# Altium PCB RF-BIG-DB5AT_v1.pcbdoc (part 4 of 7) (continued)
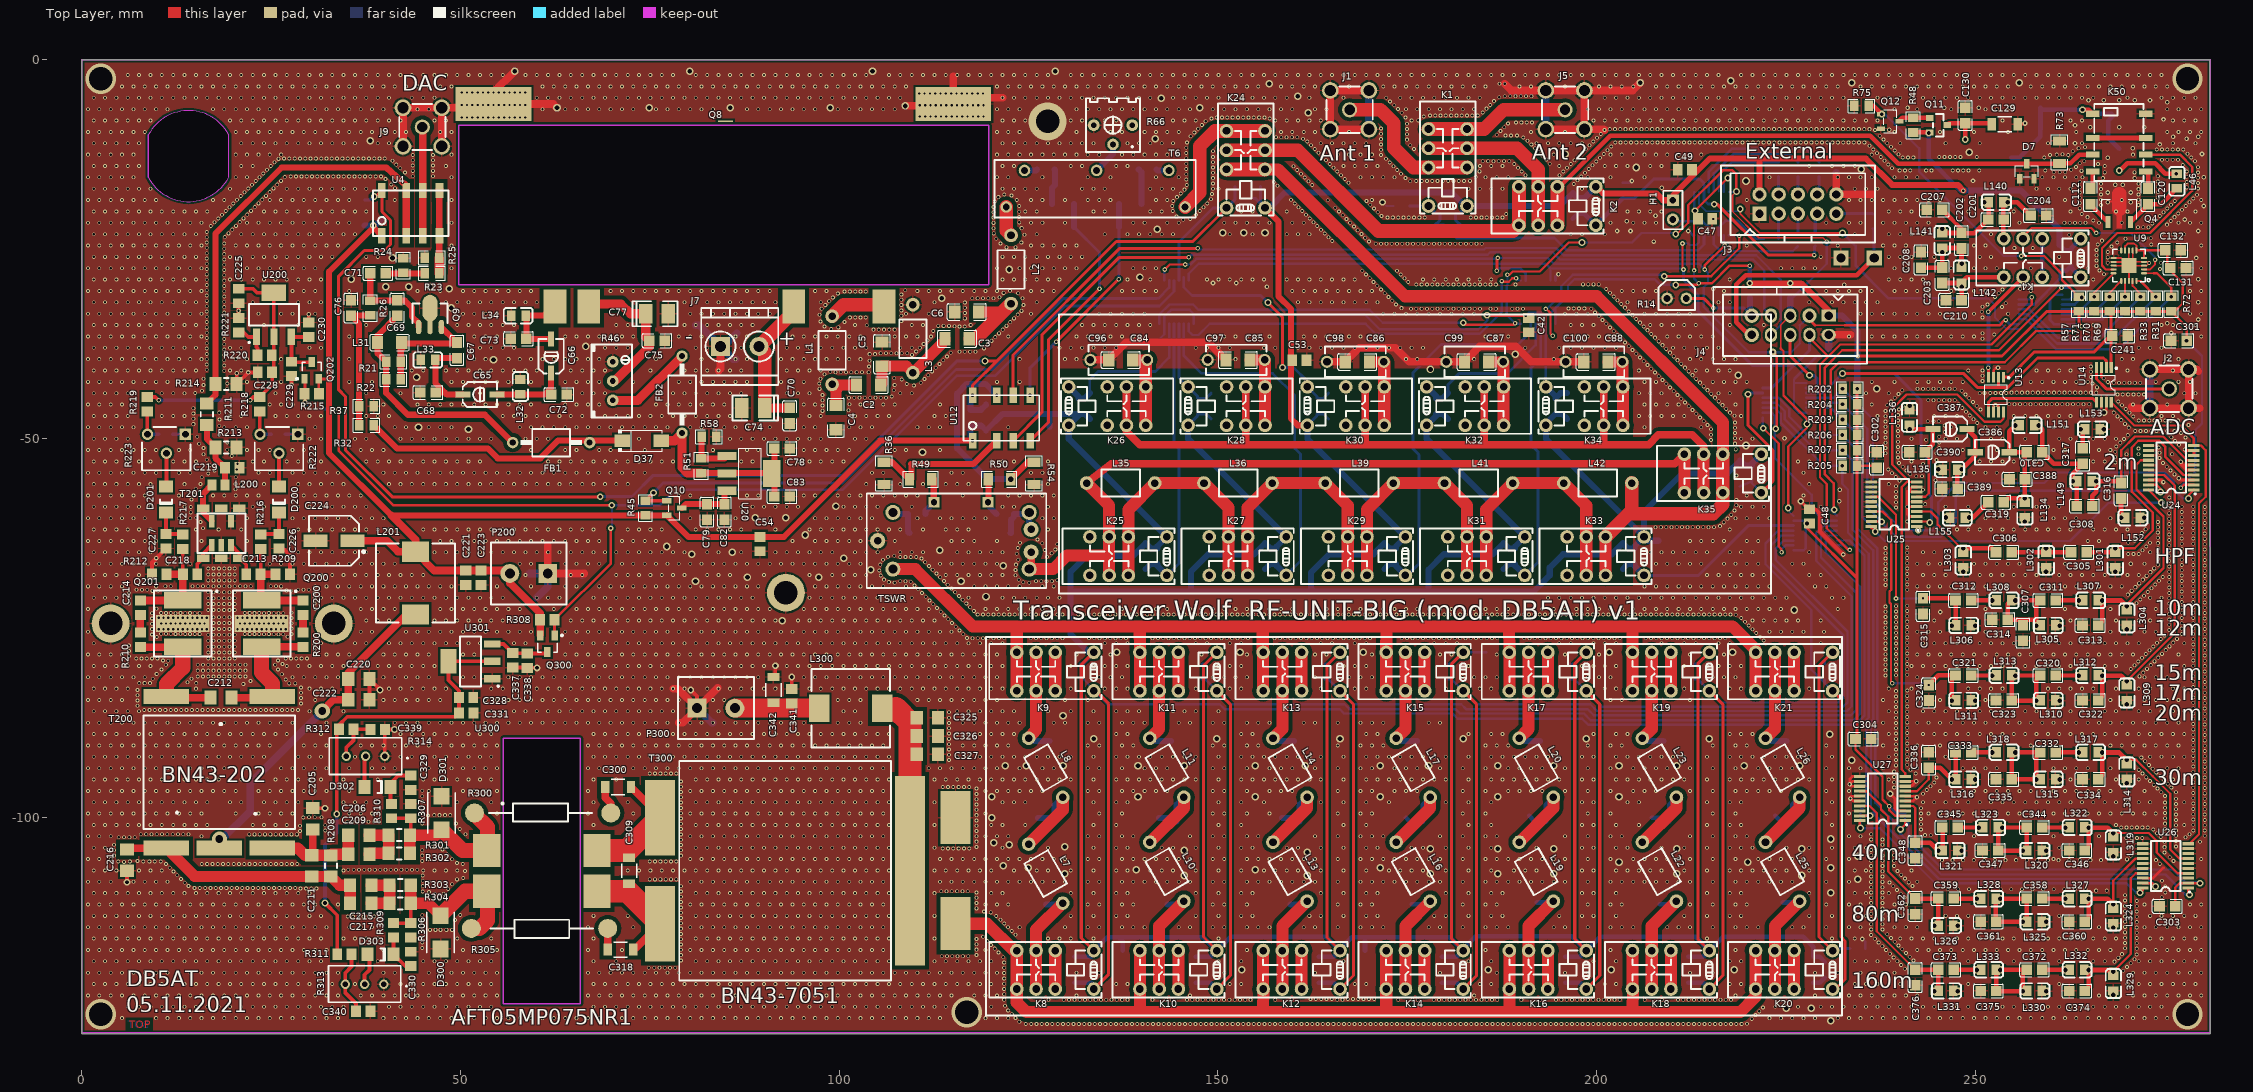
[diagram p0: Top Layer view]
## Nets (pads, with @x,y where several pads share a name; then routed paths per layer and width w, separated by ;. In a path a pad name is that pad's centre, name@x,y a point inside that pad or via, vN(x,y) a via of type N, cw(c..) or ccw(c..) an arc to the next point about the centre after c; other vN are vias at no path point) (continued)
95.318,-75.522 96.818,-75.522 98.318,-75.522 99.818,-75.522 101.318,-75.522 102.818,-75.522 104.318,-75.522 105.818,-75.522 107.318,-75.522 108.818,-75.522 110.318,-75.522 111.818,-75.522 113.318,-75.522 114.818,-75.522 222.818,-75.522 224.318,-75.522 225.818,-75.522 227.318,-75.522 229.997,-75.522 242.318,-75.522 243.818,-75.522 245.318,-75.522 251.318,-75.522 252.818,-75.522 254.318,-75.522 267.818,-75.522 272.318,-75.522 273.818,-75.522 115.882,-75.337 275.59,-75.285 220.56,-75.184 9.271,-75.167 280.289,-75.152 17.405,-75.135 18.105,-75.135 18.805,-75.135 19.505,-75.135 27.698,-75.099 277.241,-75.099 278.765,-75.099 238.125,-74.98 239.522,-74.953 240.99,-74.877 115.387,-74.842 220.065,-74.689 275.59,-74.585 9.271,-74.467 280.289,-74.452 27.698,-74.399 277.241,-74.399 278.765,-74.399 17.405,-74.36 18.105,-74.36 18.805,-74.36 19.505,-74.36 114.892,-74.347 238.125,-74.28 239.522,-74.253 219.57,-74.194 240.99,-74.177 37.568,-74.022 39.068,-74.022 40.568,-74.022 46.568,-74.022 48.068,-74.022 49.568,-74.022 51.068,-74.022 52.568,-74.022 54.068,-74.022 55.568,-74.022 57.068,-74.022 58.568,-74.022 64.568,-74.022 66.068,-74.022 67.568,-74.022 69.068,-74.022 70.568,-74.022 72.068,-74.022 73.568,-74.022 75.068,-74.022 76.568,-74.022 78.068,-74.022 79.568,-74.022 81.068,-74.022 82.568,-74.022 84.068,-74.022 85.568,-74.022 87.068,-74.022 88.568,-74.022 90.068,-74.022 91.568,-74.022 94.568,-74.022 96.068,-74.022 97.568,-74.022 99.068,-74.022 100.568,-74.022 102.068,-74.022 103.568,-74.022 105.068,-74.022 106.568,-74.022 108.068,-74.022 109.568,-74.022 111.068,-74.022 112.568,-74.022 220.568,-74.022 222.068,-74.022 223.568,-74.022 225.068,-74.022 226.568,-74.022 229.568,-74.022 244.568,-74.022 262.568,-74.022 268.568,-74.022 271.568,-74.022 273.068,-74.022 274.568,-74.022 275.59,-73.885 114.397,-73.852 9.271,-73.767 280.289,-73.752 27.698,-73.699 219.075,-73.699 277.241,-73.699 278.765,-73.699 17.405,-73.585 18.105,-73.585 18.805,-73.585 19.505,-73.585 238.125,-73.58 239.522,-73.553 240.99,-73.477 113.902,-73.357 218.372,-73.279 118.272,-73.232 118.972,-73.232 119.672,-73.232 120.372,-73.232 121.072,-73.232 121.772,-73.232 122.472,-73.232 123.172,-73.232 123.872,-73.232 124.572,-73.232 125.272,-73.232 125.972,-73.232 126.672,-73.232 127.372,-73.232 128.072,-73.232 128.772,-73.232 129.472,-73.232 131.572,-73.232 132.272,-73.232 132.972,-73.232 133.672,-73.232 134.372,-73.232 135.072,-73.232 135.772,-73.232 136.472,-73.232 137.172,-73.232 137.872,-73.232 138.572,-73.232 139.272,-73.232 139.972,-73.232 140.672,-73.232 141.372,-73.232 142.072,-73.232 142.772,-73.232 143.472,-73.232 144.172,-73.232 144.872,-73.232 145.572,-73.232 146.272,-73.232 146.972,-73.232 147.672,-73.232 148.372,-73.232 149.072,-73.232 149.772,-73.232 150.472,-73.232 151.172,-73.232 151.872,-73.232 152.572,-73.232 153.272,-73.232 153.972,-73.232 154.672,-73.232 155.372,-73.232 156.072,-73.232 156.772,-73.232 157.472,-73.232 158.172,-73.232 158.872,-73.232 159.572,-73.232 160.272,-73.232 160.972,-73.232 161.672,-73.232 162.372,-73.232 163.072,-73.232 163.772,-73.232 164.472,-73.232 165.172,-73.232 165.872,-73.232 166.572,-73.232 167.272,-73.232 167.972,-73.232 168.672,-73.232 169.372,-73.232 170.072,-73.232 170.772,-73.232 171.472,-73.232 172.172,-73.232 172.872,-73.232 173.572,-73.232 174.272,-73.232 174.972,-73.232 175.672,-73.232 176.372,-73.232 177.072,-73.232 177.772,-73.232 178.472,-73.232 179.172,-73.232 179.872,-73.232 180.572,-73.232 181.272,-73.232 181.972,-73.232 182.672,-73.232 183.372,-73.232 184.072,-73.232 184.772,-73.232 185.472,-73.232 186.172,-73.232 186.872,-73.232 187.572,-73.232 188.272,-73.232 188.972,-73.232 189.672,-73.232 190.372,-73.232 191.072,-73.232 191.772,-73.232 192.472,-73.232 193.172,-73.232 193.872,-73.232 194.572,-73.232 195.272,-73.232 195.972,-73.232 196.672,-73.232 197.372,-73.232 198.072,-73.232 198.772,-73.232 199.472,-73.232 200.172,-73.232 200.872,-73.232 201.572,-73.232 202.272,-73.232 202.972,-73.232 203.672,-73.232 204.372,-73.232 205.072,-73.232 205.772,-73.232 206.472,-73.232 207.172,-73.232 207.872,-73.232 208.572,-73.232 209.272,-73.232 209.972,-73.232 210.672,-73.232 211.372,-73.232 212.072,-73.232 212.772,-73.232 213.472,-73.232 214.172,-73.232 214.872,-73.232 215.572,-73.232 216.272,-73.232 216.972,-73.232 217.672,-73.232 275.59,-73.185 9.271,-73.067 24.054,-73.067 25.336,-73.067 25.971,-73.067 26.607,-73.067 12.383,-73.058 13.652,-73.058 14.287,-73.039 14.922,-73.058 15.557,-73.058 22.796,-73.053 280.289,-73.052 10.477,-73.025 11.112,-73.025 11.747,-73.025 13.03,-73.025 21.526,-73.034 22.162,-73.034 23.431,-73.034 24.701,-73.034 27.698,-72.999 277.241,-72.999 278.765,-72.999 113.407,-72.862 238.125,-72.88 239.522,-72.853 117.777,-72.784 240.99,-72.777 16.693,-72.634 17.393,-72.634 18.093,-72.634 18.793,-72.634 19.493,-72.634 20.193,-72.634 0.818,-72.522 30.818,-72.522 36.818,-72.522 38.318,-72.522 39.818,-72.522 41.318,-72.522 47.318,-72.522 48.818,-72.522 50.318,-72.522 51.818,-72.522 53.318,-72.522 54.818,-72.522 56.318,-72.522 57.818,-72.522 62.318,-72.522 65.318,-72.522 66.818,-72.522 68.318,-72.522 69.818,-72.522 71.318,-72.522 72.818,-72.522 74.318,-72.522 75.818,-72.522 77.318,-72.522 78.818,-72.522 80.318,-72.522 81.818,-72.522 83.318,-72.522 84.818,-72.522 86.318,-72.522 87.818,-72.522 89.318,-72.522 90.818,-72.522 95.318,-72.522 96.818,-72.522 98.318,-72.522 99.818,-72.522 101.318,-72.522 102.818,-72.522 104.318,-72.522 105.818,-72.522 107.318,-72.522 108.818,-72.522 110.318,-72.522 111.818,-72.522 119.318,-72.522 120.818,-72.522 122.318,-72.522 123.818,-72.522 125.318,-72.522 126.818,-72.522 128.318,-72.522 135.818,-72.522 137.318,-72.522 138.818,-72.522 140.318,-72.522 141.818,-72.522 143.318,-72.522 144.818,-72.522 146.318,-72.522 147.818,-72.522 149.318,-72.522 150.818,-72.522 152.318,-72.522 153.818,-72.522 155.318,-72.522 156.818,-72.522 158.318,-72.522 159.818,-72.522 164.318,-72.522 165.818,-72.522 167.318,-72.522 168.818,-72.522 170.318,-72.522 171.818,-72.522 173.318,-72.522 174.818,-72.522 176.318,-72.522 177.818,-72.522 179.318,-72.522 180.818,-72.522 182.318,-72.522 183.818,-72.522 185.318,-72.522 186.818,-72.522 188.318,-72.522 192.818,-72.522 194.318,-72.522 195.818,-72.522 197.318,-72.522 198.818,-72.522 200.318,-72.522 201.818,-72.522 203.318,-72.522 204.818,-72.522 206.318,-72.522 207.818,-72.522 209.318,-72.522 210.818,-72.522 212.318,-72.522 213.818,-72.522 215.318,-72.522 216.818,-72.522 218.318,-72.522 219.818,-72.522 221.318,-72.522 222.818,-72.522 224.318,-72.522 231.818,-72.522 251.318,-72.522 261.818,-72.522 267.818,-72.522 272.318,-72.522 273.818,-72.522 9.853,-72.485 275.59,-72.485 112.912,-72.367 280.289,-72.352 117.282,-72.289 277.241,-72.299 278.765,-72.299 238.125,-72.18 239.522,-72.153 240.99,-72.077 112.417,-71.872 16.693,-71.859 17.393,-71.859 18.093,-71.859 18.793,-71.859 19.493,-71.859 20.193,-71.859 116.787,-71.794 6.223,-71.785 30.734,-71.787 275.59,-71.785 271.256,-71.755 280.289,-71.652 277.241,-71.599 278.765,-71.599 111.922,-71.377 116.292,-71.299 271.751,-71.26 6.223,-71.085 16.693,-71.084 17.393,-71.084 18.093,-71.084 18.793,-71.084 19.493,-71.084 20.193,-71.084 30.734,-71.087 275.59,-71.085 1.568,-71.022 3.068,-71.022 4.568,-71.022 31.568,-71.022 33.068,-71.022 34.568,-71.022 36.068,-71.022 37.568,-71.022 39.068,-71.022 40.568,-71.022 42.068,-71.022 43.568,-71.022 45.068,-71.022 46.568,-71.022 48.068,-71.022 49.568,-71.022 51.068,-71.022 52.568,-71.022 54.068,-71.022 55.568,-71.022 61.568,-71.022 63.068,-71.022 67.568,-71.022 69.068,-71.022 70.568,-71.022 72.068,-71.022 73.568,-71.022 75.068,-71.022 76.568,-71.022 78.068,-71.022 79.568,-71.022 81.068,-71.022 82.568,-71.022 84.068,-71.022 85.568,-71.022 87.068,-71.022 88.568,-71.022 96.068,-71.022 97.568,-71.022 99.068,-71.022 100.568,-71.022 102.068,-71.022 103.568,-71.022 105.068,-71.022 106.568,-71.022 108.068,-71.022 109.568,-71.022 117.068,-71.022 121.568,-71.022 123.068,-71.022 124.568,-71.022 126.068,-71.022 127.568,-71.022 129.068,-71.022 193.568,-71.022 195.068,-71.022 196.568,-71.022 198.068,-71.022 199.568,-71.022 201.068,-71.022 202.568,-71.022 204.068,-71.022 205.568,-71.022 207.068,-71.022 208.568,-71.022 210.068,-71.022 211.568,-71.022 213.068,-71.022 214.568,-71.022 216.068,-71.022 217.568,-71.022 219.068,-71.022 220.568,-71.022 222.068,-71.022 223.568,-71.022 225.068,-71.022 231.068,-71.022 232.568,-71.022 273.068,-71.022 274.568,-71.022 280.289,-70.952 111.427,-70.882 277.241,-70.899 278.765,-70.899 115.797,-70.804 272.246,-70.765 270.129,-70.612 6.223,-70.385 30.734,-70.387 110.932,-70.387 275.59,-70.385 16.693,-70.309 17.393,-70.309 18.093,-70.309 18.793,-70.309 19.493,-70.309 20.193,-70.309 115.302,-70.309 272.741,-70.27 280.289,-70.252 277.241,-70.199 278.765,-70.199 9.354,-70.117 270.624,-70.117 10.109,-70.104 27.658,-70.104 27.023,-70.083 7.236,-69.977 7.936,-69.977 8.636,-69.977 28.572,-69.977 29.272,-69.977 29.972,-69.977 240.99,-69.977 110.437,-69.892 114.807,-69.814 273.236,-69.775 275.59,-69.685 271.119,-69.622 280.289,-69.552 0.818,-69.522 2.318,-69.522 3.818,-69.522 5.318,-69.522 9.818,-69.522 26.318,-69.522 30.818,-69.522 32.318,-69.522 33.818,-69.522 35.318,-69.522 36.818,-69.522 38.318,-69.522 39.818,-69.522 41.318,-69.522 42.818,-69.522 44.318,-69.522 45.818,-69.522 47.318,-69.522 48.818,-69.522 54.818,-69.522 59.318,-69.522 63.818,-69.522 65.318,-69.522 68.318,-69.522 69.818,-69.522 71.318,-69.522 72.818,-69.522 74.318,-69.522 75.818,-69.522 77.318,-69.522 78.818,-69.522 80.318,-69.522 81.818,-69.522 83.318,-69.522 84.818,-69.522 86.318,-69.522 87.818,-69.522 89.318,-69.522 96.818,-69.522 98.318,-69.522 99.818,-69.522 101.318,-69.522 102.818,-69.522 104.318,-69.522 105.818,-69.522 108.818,-69.522 117.818,-69.522 119.318,-69.522 120.818,-69.522 122.318,-69.522 123.818,-69.522 126.818,-69.522 128.318,-69.522 206.318,-69.522 207.818,-69.522 209.318,-69.522 210.818,-69.522 212.318,-69.522 213.818,-69.522 215.318,-69.522 216.818,-69.522 218.318,-69.522 219.818,-69.522 221.318,-69.522 222.818,-69.522 228.818,-69.522 230.318,-69.522 242.318,-69.522 243.818,-69.522 245.318,-69.522 246.818,-69.522 248.318,-69.522 249.818,-69.522 251.318,-69.522 252.818,-69.522 254.318,-69.522 255.818,-69.522 257.318,-69.522 258.818,-69.522 260.318,-69.522 261.818,-69.522 263.318,-69.522 264.818,-69.522 266.318,-69.522 267.818,-69.522 269.318,-69.522 11.035,-69.499 11.735,-69.499 14.605,-69.499 15.305,-69.499 16.005,-69.499 16.705,-69.499 17.405,-69.499 18.105,-69.499 18.805,-69.499 19.505,-69.499 20.205,-69.499 20.905,-69.499 21.605,-69.499 22.305,-69.499 24.951,-69.499 25.651,-69.499 277.241,-69.499 278.765,-69.499 109.942,-69.397 238.125,-69.342 114.312,-69.319 273.731,-69.28 240.99,-69.277 271.614,-69.127 107.315,-69.033 125.082,-69.033 124.298,-68.985 275.59,-68.985 106.553,-68.961 109.447,-68.902 280.289,-68.852 108.047,-68.834 108.747,-68.834 113.817,-68.824 125.972,-68.834 126.672,-68.834 127.372,-68.834 128.072,-68.834 277.241,-68.799 278.765,-68.799 274.226,-68.785 16.705,-68.728 17.405,-68.728 18.105,-68.728 18.805,-68.728 19.505,-68.728 20.205,-68.728 128.778,-68.707 105.918,-68.632 123.689,-68.642 238.125,-68.642 272.109,-68.632 240.99,-68.577 113.322,-68.329 274.721,-68.29 275.59,-68.285 272.604,-68.137 280.289,-68.152 277.241,-68.099 278.765,-68.099 105.479,-68.072 123.286,-68.057 1.568,-68.022 3.068,-68.022 4.568,-68.022 6.068,-68.022 7.568,-68.022 30.068,-68.022 31.568,-68.022 33.068,-68.022 34.568,-68.022 36.068,-68.022 37.568,-68.022 39.068,-68.022 40.568,-68.022 42.068,-68.022 43.568,-68.022 45.068,-68.022 58.568,-68.022 64.568,-68.022 70.568,-68.022 72.068,-68.022 73.568,-68.022 75.068,-68.022 76.568,-68.022 78.068,-68.022 79.568,-68.022 82.568,-68.022 84.068,-68.022 85.568,-68.022 90.068,-68.022 96.068,-68.022 99.068,-68.022 100.568,-68.022 102.068,-68.022 103.568,-68.022 114.068,-68.022 115.568,-68.022 117.068,-68.022 118.568,-68.022 120.068,-68.022 121.568,-68.022 214.568,-68.022 216.068,-68.022 217.568,-68.022 219.068,-68.022 220.568,-68.022 222.068,-68.022 228.068,-68.022 229.568,-68.022 243.068,-68.022 244.568,-68.022 246.068,-68.022 250.568,-68.022 252.068,-68.022 253.568,-68.022 255.068,-68.022 256.568,-68.022 258.068,-68.022 261.068,-68.022 262.568,-68.022 264.068,-68.022 265.568,-68.022 267.068,-68.022 270.068,-68.022 271.568,-68.022 16.705,-67.953 17.405,-67.953 18.105,-67.953 18.805,-67.953 19.505,-67.953 20.205,-67.953 238.125,-67.942 240.99,-67.877 112.827,-67.834 273.099,-67.642 275.59,-67.585 280.289,-67.452 105.283,-67.43 277.241,-67.399 278.765,-67.399 123.286,-67.357 112.332,-67.339 238.125,-67.242 240.99,-67.177 16.705,-67.153 17.405,-67.153 18.105,-67.153 18.805,-67.153 19.505,-67.153 20.205,-67.153 273.594,-67.147 275.59,-66.885 111.837,-66.844 280.289,-66.752 277.241,-66.699 278.765,-66.699 105.41,-66.652 123.344,-66.652 274.089,-66.652 238.125,-66.542 0.818,-66.522 2.318,-66.522 3.818,-66.522 5.318,-66.522 6.818,-66.522 8.318,-66.522 9.818,-66.522 11.318,-66.522 14.318,-66.522 24.818,-66.522 26.318,-66.522 27.818,-66.522 29.318,-66.522 30.818,-66.522 32.318,-66.522 33.818,-66.522 35.318,-66.522 36.818,-66.522 38.318,-66.522 39.818,-66.522 41.318,-66.522 57.818,-66.522 59.318,-66.522 63.818,-66.522 65.318,-66.522 66.818,-66.522 68.318,-66.522 71.318,-66.522 72.818,-66.522 74.318,-66.522 75.818,-66.522 77.318,-66.522 78.818,-66.522 80.318,-66.522 81.818,-66.522 83.318,-66.522 84.818,-66.522 86.318,-66.522 87.818,-66.522 89.318,-66.522 90.818,-66.522 92.318,-66.522 93.818,-66.522 95.318,-66.522 96.818,-66.522 98.318,-66.522 99.818,-66.522 101.318,-66.522 102.818,-66.522 113.318,-66.522 114.818,-66.522 116.318,-66.522 117.818,-66.522 119.318,-66.522 120.818,-66.522 206.318,-66.522 207.818,-66.522 209.318,-66.522 210.818,-66.522 212.318,-66.522 213.818,-66.522 216.818,-66.522 218.318,-66.522 219.818,-66.522 221.318,-66.522 225.818,-66.522 227.318,-66.522 242.318,-66.522 243.818,-66.522 245.318,-66.522 246.818,-66.522 249.818,-66.522 251.318,-66.522 252.818,-66.522 254.318,-66.522 255.818,-66.522 257.318,-66.522 261.818,-66.522 263.318,-66.522 264.818,-66.522 266.318,-66.522 272.318,-66.522 240.99,-66.477 111.342,-66.349 275.59,-66.185 280.289,-66.052 105.791,-65.999 123.64,-65.999 277.241,-65.999 278.765,-65.999 274.089,-65.913 110.847,-65.854 238.125,-65.842 240.99,-65.777 108.047,-65.659 108.747,-65.659 109.447,-65.659 110.174,-65.659 106.426,-65.61 127.424,-65.61 107.276,-65.485 275.59,-65.485 280.289,-65.352 277.241,-65.299 278.765,-65.299 270.165,-65.239 270.865,-65.239 271.565,-65.239 123.444,-65.213 274.089,-65.213 128.042,-65.153 238.125,-65.142 240.99,-65.077 1.568,-65.022 3.068,-65.022 4.568,-65.022 6.068,-65.022 7.568,-65.022 9.068,-65.022 28.568,-65.022 30.068,-65.022 31.568,-65.022 33.068,-65.022 34.568,-65.022 36.068,-65.022 37.568,-65.022 39.068,-65.022 46.568,-65.022 48.068,-65.022 49.568,-65.022 51.068,-65.022 52.568,-65.022 54.068,-65.022 55.568,-65.022 57.068,-65.022 58.568,-65.022 60.068,-65.022 61.568,-65.022 63.068,-65.022 64.568,-65.022 66.068,-65.022 67.568,-65.022 69.068,-65.022 70.568,-65.022 72.068,-65.022 73.568,-65.022 75.068,-65.022 76.568,-65.022 78.068,-65.022 79.568,-65.022 82.568,-65.022 84.068,-65.022 87.068,-65.022 91.568,-65.022 93.068,-65.022 94.568,-65.022 96.068,-65.022 97.568,-65.022 99.068,-65.022 102.068,-65.022 103.568,-65.022 105.068,-65.022 108.068,-65.022 109.568,-65.022 111.068,-65.022 115.568,-65.022 117.068,-65.022 118.568,-65.022 120.068,-65.022 121.568,-65.022 207.068,-65.022 208.568,-65.022 210.068,-65.022 211.568,-65.022 213.068,-65.022 214.568,-65.022 217.568,-65.022 219.068,-65.022 220.568,-65.022 228.068,-65.022 243.068,-65.022 244.568,-65.022 246.068,-65.022 273.068,-65.022 275.59,-64.785 272.06,-64.744 127.129,-64.721 128.537,-64.658 280.289,-64.652 277.241,-64.599 278.765,-64.599 274.089,-64.513 123.571,-64.442 238.125,-64.442 240.99,-64.377 272.555,-64.249 275.59,-64.085 128.772,-63.952 280.289,-63.952 277.241,-63.899 278.765,-63.899 126.789,-63.832 274.089,-63.813 123.872,-63.754 270.165,-63.754 273.05,-63.754 0.818,-63.522 2.318,-63.522 3.818,-63.522 5.318,-63.522 6.818,-63.522 8.318,-63.522 9.818,-63.522 15.818,-63.522 21.818,-63.522 27.818,-63.522 47.318,-63.522 48.818,-63.522 50.318,-63.522 51.818,-63.522 53.318,-63.522 54.818,-63.522 56.318,-63.522 57.818,-63.522 59.318,-63.522 60.818,-63.522 62.318,-63.522 63.818,-63.522 65.318,-63.522 66.818,-63.522 68.318,-63.522 71.318,-63.522 72.818,-63.522 74.318,-63.522 75.818,-63.522 78.818,-63.522 93.818,-63.522 96.818,-63.522 98.318,-63.522 99.818,-63.522 101.318,-63.522 102.818,-63.522 107.318,-63.522 114.818,-63.522 116.318,-63.522 117.818,-63.522 120.818,-63.522 212.318,-63.522 213.818,-63.522 215.318,-63.522 216.818,-63.522 219.818,-63.522 221.318,-63.522 264.818,-63.522 266.318,-63.522 270.986,-63.461 275.59,-63.385 126.167,-63.33 280.289,-63.252 277.241,-63.199 278.765,-63.199 274.089,-63.113 271.481,-62.966 275.59,-62.685 280.289,-62.552 277.241,-62.499 278.765,-62.499 271.976,-62.471 274.089,-62.413 1.568,-62.022 3.068,-62.022 4.568,-62.022 6.068,-62.022 7.568,-62.022 9.068,-62.022 15.068,-62.022 18.068,-62.022 21.068,-62.022 28.568,-62.022 30.068,-62.022 31.568,-62.022 33.068,-62.022 34.568,-62.022 36.068,-62.022 37.568,-62.022 39.068,-62.022 40.568,-62.022 45.068,-62.022 46.568,-62.022 48.068,-62.022 49.568,-62.022 51.068,-62.022 52.568,-62.022 54.068,-62.022 55.568,-62.022 57.068,-62.022 58.568,-62.022 60.068,-62.022 61.568,-62.022 63.068,-62.022 64.568,-62.022 66.068,-62.022 67.568,-62.022 72.068,-62.022 73.568,-62.022 75.068,-62.022 76.568,-62.022 81.068,-62.022 82.568,-62.022 84.068,-62.022 85.568,-62.022 87.068,-62.022 91.568,-62.022 96.068,-62.022 97.568,-62.022 99.068,-62.022 100.568,-62.022 102.068,-62.022 103.568,-62.022 105.068,-62.022 106.568,-62.022 108.068,-62.022 111.068,-62.022 114.068,-62.022 115.568,-62.022 117.068,-62.022 127.568,-62.022 217.568,-62.022 247.568,-62.022 249.068,-62.022 250.568,-62.022 252.068,-62.022 253.568,-62.022 255.068,-62.022 256.568,-62.022 258.068,-62.022 259.568,-62.022 261.068,-62.022 262.568,-62.022 265.568,-62.022 267.068,-62.022 268.568,-62.022 270.068,-62.022 272.471,-61.976 275.59,-61.985 16.005,-61.852 280.289,-61.852 277.241,-61.799 278.765,-61.799 207.775,-61.713 208.475,-61.713 209.175,-61.713 209.875,-61.713 210.575,-61.713 211.275,-61.713 211.975,-61.713 212.675,-61.713 213.375,-61.713 214.075,-61.713 214.775,-61.713 215.475,-61.713 274.089,-61.713 216.281,-61.567 275.59,-61.285 280.289,-61.152 277.241,-61.099 278.765,-61.099 216.776,-61.072 15.671,-61.013 274.089,-61.013 240.99,-60.942 217.271,-60.577 275.59,-60.585 0.818,-60.522 2.318,-60.522 3.818,-60.522 5.318,-60.522 6.818,-60.522 8.318,-60.522 12.818,-60.522 14.318,-60.522 21.818,-60.522 23.318,-60.522 27.818,-60.522 29.318,-60.522 30.818,-60.522 32.318,-60.522 33.818,-60.522 35.318,-60.522 36.818,-60.522 38.318,-60.522 39.818,-60.522 80.318,-60.522 86.318,-60.522 87.818,-60.522 90.818,-60.522 96.818,-60.522 98.318,-60.522 99.818,-60.522 101.318,-60.522 102.818,-60.522 104.318,-60.522 110.318,-60.522 113.318,-60.522 114.818,-60.522 116.318,-60.522 117.818,-60.522 119.318,-60.522 126.818,-60.522 128.318,-60.522 218.318,-60.522 219.818,-60.522 221.318,-60.522 222.818,-60.522 251.318,-60.522 252.818,-60.522 254.318,-60.522 258.818,-60.522 260.318,-60.522 261.818,-60.522 263.318,-60.522 267.818,-60.522 15.113,-60.472 280.289,-60.452 277.241,-60.399 278.765,-60.399 217.766,-60.082 275.59,-59.885 14.401,-59.752 280.289,-59.752 277.241,-59.699 278.765,-59.699 218.186,-59.508 275.59,-59.185 239.522,-59.117 14.401,-59.052 280.289,-59.052 1.568,-59.022 3.068,-59.022 4.568,-59.022 6.068,-59.022 7.568,-59.022 9.068,-59.022 13.568,-59.022 22.568,-59.022 24.068,-59.022 28.568,-59.022 30.068,-59.022 31.568,-59.022 33.068,-59.022 34.568,-59.022 36.068,-59.022 37.568,-59.022 87.068,-59.022 88.568,-59.022 90.068,-59.022 91.568,-59.022 93.068,-59.022 94.568,-59.022 100.568,-59.022 102.068,-59.022 103.568,-59.022 105.068,-59.022 109.568,-59.022 121.568,-59.022 123.068,-59.022 127.568,-59.022 219.068,-59.022 220.568,-59.022 222.068,-59.022 229.568,-59.022 246.068,-59.022 249.068,-59.022 255.068,-59.022 258.068,-59.022 259.568,-59.022 261.068,-59.022 277.241,-58.999 278.765,-58.999 218.44,-58.808 243.382,-58.664 275.59,-58.485 239.522,-58.417 218.44,-58.108 14.478,-58.039 275.59,-57.785 239.522,-57.717 0.818,-57.522 2.318,-57.522 3.818,-57.522 5.318,-57.522 6.818,-57.522 8.318,-57.522 12.818,-57.522 17.318,-57.522 18.818,-57.522 20.318,-57.522 21.818,-57.522 23.318,-57.522 27.818,-57.522 29.318,-57.522 30.818,-57.522 32.318,-57.522 33.818,-57.522 35.318,-57.522 36.818,-57.522 78.818,-57.522 80.318,-57.522 87.818,-57.522 89.318,-57.522 95.318,-57.522 96.818,-57.522 99.818,-57.522 101.318,-57.522 102.818,-57.522 104.318,-57.522 105.818,-57.522 107.318,-57.522 108.818,-57.522 110.318,-57.522 116.318,-57.522 122.318,-57.522 123.818,-57.522 125.318,-57.522 126.818,-57.522 128.318,-57.522 219.818,-57.522 227.318,-57.522 14.859,-57.404 239.522,-57.017 243.078,-56.773 20.281,-56.707 15.048,-56.642 239.522,-56.317 1.568,-56.022 3.068,-56.022 4.568,-56.022 6.068,-56.022 7.568,-56.022 9.068,-56.022 13.568,-56.022 21.068,-56.022 22.568,-56.022 24.068,-56.022 28.568,-56.022 30.068,-56.022 31.568,-56.022 33.068,-56.022 34.568,-56.022 40.568,-56.022 42.068,-56.022 43.568,-56.022 45.068,-56.022 46.568,-56.022 48.068,-56.022 49.568,-56.022 51.068,-56.022 52.568,-56.022 54.068,-56.022 55.568,-56.022 57.068,-56.022 58.568,-56.022 60.068,-56.022 61.568,-56.022 63.068,-56.022 64.568,-56.022 66.068,-56.022 67.568,-56.022 69.068,-56.022 70.568,-56.022 72.068,-56.022 103.568,-56.022 108.068,-56.022 111.068,-56.022 114.068,-56.022 115.568,-56.022 117.068,-56.022 127.568,-56.022 228.068,-56.022 238.568,-56.022 261.068,-56.022 15.671,-56.007 20.281,-56.007 239.978,-55.574 244.729,-55.499 15.851,-55.118 20.319,-55.118 239.483,-55.079 242.189,-54.991 242.951,-54.991 218.44,-54.881 276.275,-54.737 241.401,-54.724 16.705,-54.61 238.988,-54.584 0.818,-54.522 2.318,-54.522 3.818,-54.522 5.318,-54.522 6.818,-54.522 8.318,-54.522 9.818,-54.522 12.818,-54.522 14.318,-54.522 23.318,-54.522 24.818,-54.522 27.818,-54.522 29.318,-54.522 30.818,-54.522 32.318,-54.522 33.818,-54.522 39.818,-54.522 41.318,-54.522 42.818,-54.522 44.318,-54.522 45.818,-54.522 47.318,-54.522 48.818,-54.522 50.318,-54.522 51.818,-54.522 53.318,-54.522 54.818,-54.522 56.318,-54.522 57.818,-54.522 59.318,-54.522 60.818,-54.522 62.318,-54.522 63.818,-54.522 65.318,-54.522 66.818,-54.522 68.318,-54.522 69.818,-54.522 71.318,-54.522 72.818,-54.522 74.318,-54.522 104.318,-54.522 105.818,-54.522 114.818,-54.522 116.318,-54.522 125.318,-54.522 126.818,-54.522 128.318,-54.522 227.318,-54.522 249.818,-54.522 251.318,-54.522 252.818,-54.522 258.818,-54.522 17.526,-54.229 240.906,-54.229 275.767,-54.229 20.447,-54.082 238.493,-54.089 243.078,-54.089 240.411,-53.734 275.272,-53.734 16.923,-53.524 269.941,-53.467 20.56,-53.327 243.078,-53.327 239.916,-53.239 274.777,-53.239 268.458,-53.154 1.568,-53.022 3.068,-53.022 4.568,-53.022 6.068,-53.022 7.568,-53.022 9.068,-53.022 12.068,-53.022 13.568,-53.022 15.068,-53.022 22.568,-53.022 24.068,-53.022 27.068,-53.022 28.568,-53.022 30.068,-53.022 31.568,-53.022 37.568,-53.022 39.068,-53.022 40.568,-53.022 42.068,-53.022 43.568,-53.022 45.068,-53.022 46.568,-53.022 48.068,-53.022 49.568,-53.022 51.068,-53.022 52.568,-53.022 61.568,-53.022 63.068,-53.022 64.568,-53.022 66.068,-53.022 67.568,-53.022 69.068,-53.022 70.568,-53.022 72.068,-53.022 73.568,-53.022 75.068,-53.022 76.568,-53.022 78.068,-53.022 87.068,-53.022 88.568,-53.022 93.068,-53.022 94.568,-53.022 96.068,-53.022 97.568,-53.022 99.068,-53.022 100.568,-53.022 120.068,-53.022 121.568,-53.022 123.068,-53.022 127.568,-53.022 226.568,-53.022 228.068,-53.022 241.568,-53.022 250.568,-53.022 252.068,-53.022 253.568,-53.022 255.068,-53.022 258.068,-53.022 265.568,-53.022 267.068,-53.022 244.856,-52.832 16.51,-52.817 269.941,-52.767 274.306,-52.581 239.776,-52.516 268.458,-52.454 19.812,-52.324 16.084,-52.067 269.941,-52.067 271.526,-52.07 275.971,-52.076 238.125,-51.955 244.856,-51.955 274.306,-51.881 239.776,-51.816 268.458,-51.754 0.818,-51.522 2.318,-51.522 3.818,-51.522 5.318,-51.522 6.818,-51.522 8.318,-51.522 9.818,-51.522 12.818,-51.522 14.318,-51.522 21.818,-51.522 23.318,-51.522 24.818,-51.522 27.818,-51.522 29.318,-51.522 30.818,-51.522 36.818,-51.522 38.318,-51.522 39.818,-51.522 59.318,-51.522 63.818,-51.522 65.318,-51.522 68.318,-51.522 69.818,-51.522 74.318,-51.522 83.318,-51.522 87.818,-51.522 89.318,-51.522 95.318,-51.522 96.818,-51.522 98.318,-51.522 99.818,-51.522 101.318,-51.522 107.318,-51.522 108.818,-51.522 113.318,-51.522 246.818,-51.522 248.318,-51.522 252.818,-51.522 260.318,-51.522 261.818,-51.522 266.318,-51.522 267.818,-51.522 19.218,-51.495 277.636,-51.46 271.526,-51.308 16.084,-51.255 238.125,-51.255 245.237,-51.239 274.193,-51.181 239.776,-51.116 268.605,-51.054 276.874,-50.825 15.494,-50.679 218.271,-50.676 238.125,-50.555 269.113,-50.546 19.218,-50.53 245.237,-50.53 239.776,-50.416 276.366,-50.317 215.096,-50.207 243.495,-50.165 269.608,-50.051 1.568,-50.022 3.068,-50.022 4.568,-50.022 6.068,-50.022 30.068,-50.022 31.568,-50.022 36.068,-50.022 37.568,-50.022 42.068,-50.022 43.568,-50.022 45.068,-50.022 46.568,-50.022 48.068,-50.022 49.568,-50.022 51.068,-50.022 52.568,-50.022 54.068,-50.022 58.568,-50.022 60.068,-50.022 61.568,-50.022 73.568,-50.022 85.568,-50.022 87.068,-50.022 88.568,-50.022 90.068,-50.022 91.568,-50.022 93.068,-50.022 94.568,-50.022 96.068,-50.022 97.568,-50.022 102.068,-50.022 103.568,-50.022 219.068,-50.022 220.568,-50.022 241.568,-50.022 246.068,-50.022 247.568,-50.022 252.068,-50.022 253.568,-50.022 256.568,-50.022 261.068,-50.022 262.568,-50.022 265.568,-50.022 267.068,-50.022 268.568,-50.022 218.271,-49.976 238.125,-49.855 277.749,-49.855 275.871,-49.822 15.247,-49.768 245.237,-49.768 239.776,-49.716 270.103,-49.556 18.161,-49.53 19.051,-49.53 215.096,-49.507 218.271,-49.276 277.134,-49.276 238.125,-49.155 245.953,-49.149 239.776,-49.016 271.109,-49.016 271.809,-49.016 272.509,-49.016 273.209,-49.016 273.909,-49.016 274.609,-49.016 275.309,-49.016 276.277,-49.016 215.083,-48.768 218.271,-48.576 270.236,-48.563 0.818,-48.522 2.318,-48.522 3.818,-48.522 5.318,-48.522 6.818,-48.522 18.818,-48.522 20.318,-48.522 21.818,-48.522 30.818,-48.522 41.318,-48.522 42.818,-48.522 45.818,-48.522 47.318,-48.522 48.818,-48.522 57.818,-48.522 59.318,-48.522 60.818,-48.522 62.318,-48.522 63.818,-48.522 65.318,-48.522 66.818,-48.522 68.318,-48.522 69.818,-48.522 71.318,-48.522 72.818,-48.522 74.318,-48.522 75.818,-48.522 77.318,-48.522 80.318,-48.522 81.818,-48.522 83.318,-48.522 84.818,-48.522 86.318,-48.522 87.818,-48.522 89.318,-48.522 90.818,-48.522 95.318,-48.522 96.818,-48.522 101.318,-48.522 102.818,-48.522 104.318,-48.522 110.318,-48.522 111.818,-48.522 113.318,-48.522 122.318,-48.522 206.318,-48.522 213.818,-48.522 246.818,-48.522 251.318,-48.522 252.818,-48.522 260.318,-48.522 261.818,-48.522 238.125,-48.455 18.161,-48.316 239.776,-48.316 245.953,-48.28 214.63,-48.21 278.117,-48.21 14.732,-48.103 269.741,-48.068 250.252,-47.941 218.271,-47.876 238.125,-47.755 214.135,-47.715 243.697,-47.715 244.459,-47.715 245.168,-47.715 277.622,-47.715 239.776,-47.616 271.562,-47.616 272.262,-47.616 272.962,-47.616 273.662,-47.616 274.362,-47.616 275.062,-47.616 275.762,-47.616 276.733,-47.616 269.246,-47.573 18.187,-47.498 249.757,-47.446 14.732,-47.403 213.64,-47.22 270.839,-47.104 238.125,-47.055 268.751,-47.078 1.568,-47.022 3.068,-47.022 4.568,-47.022 6.068,-47.022 10.568,-47.022 12.068,-47.022 13.568,-47.022 19.568,-47.022 21.068,-47.022 25.568,-47.022 27.068,-47.022 28.568,-47.022 30.068,-47.022 31.568,-47.022 37.568,-47.022 39.068,-47.022 40.568,-47.022 55.568,-47.022 57.068,-47.022 58.568,-47.022 60.068,-47.022 61.568,-47.022 63.068,-47.022 64.568,-47.022 66.068,-47.022 67.568,-47.022 69.068,-47.022 70.568,-47.022